# Allegro board HY_DP100_PWER_V10_231227.brd
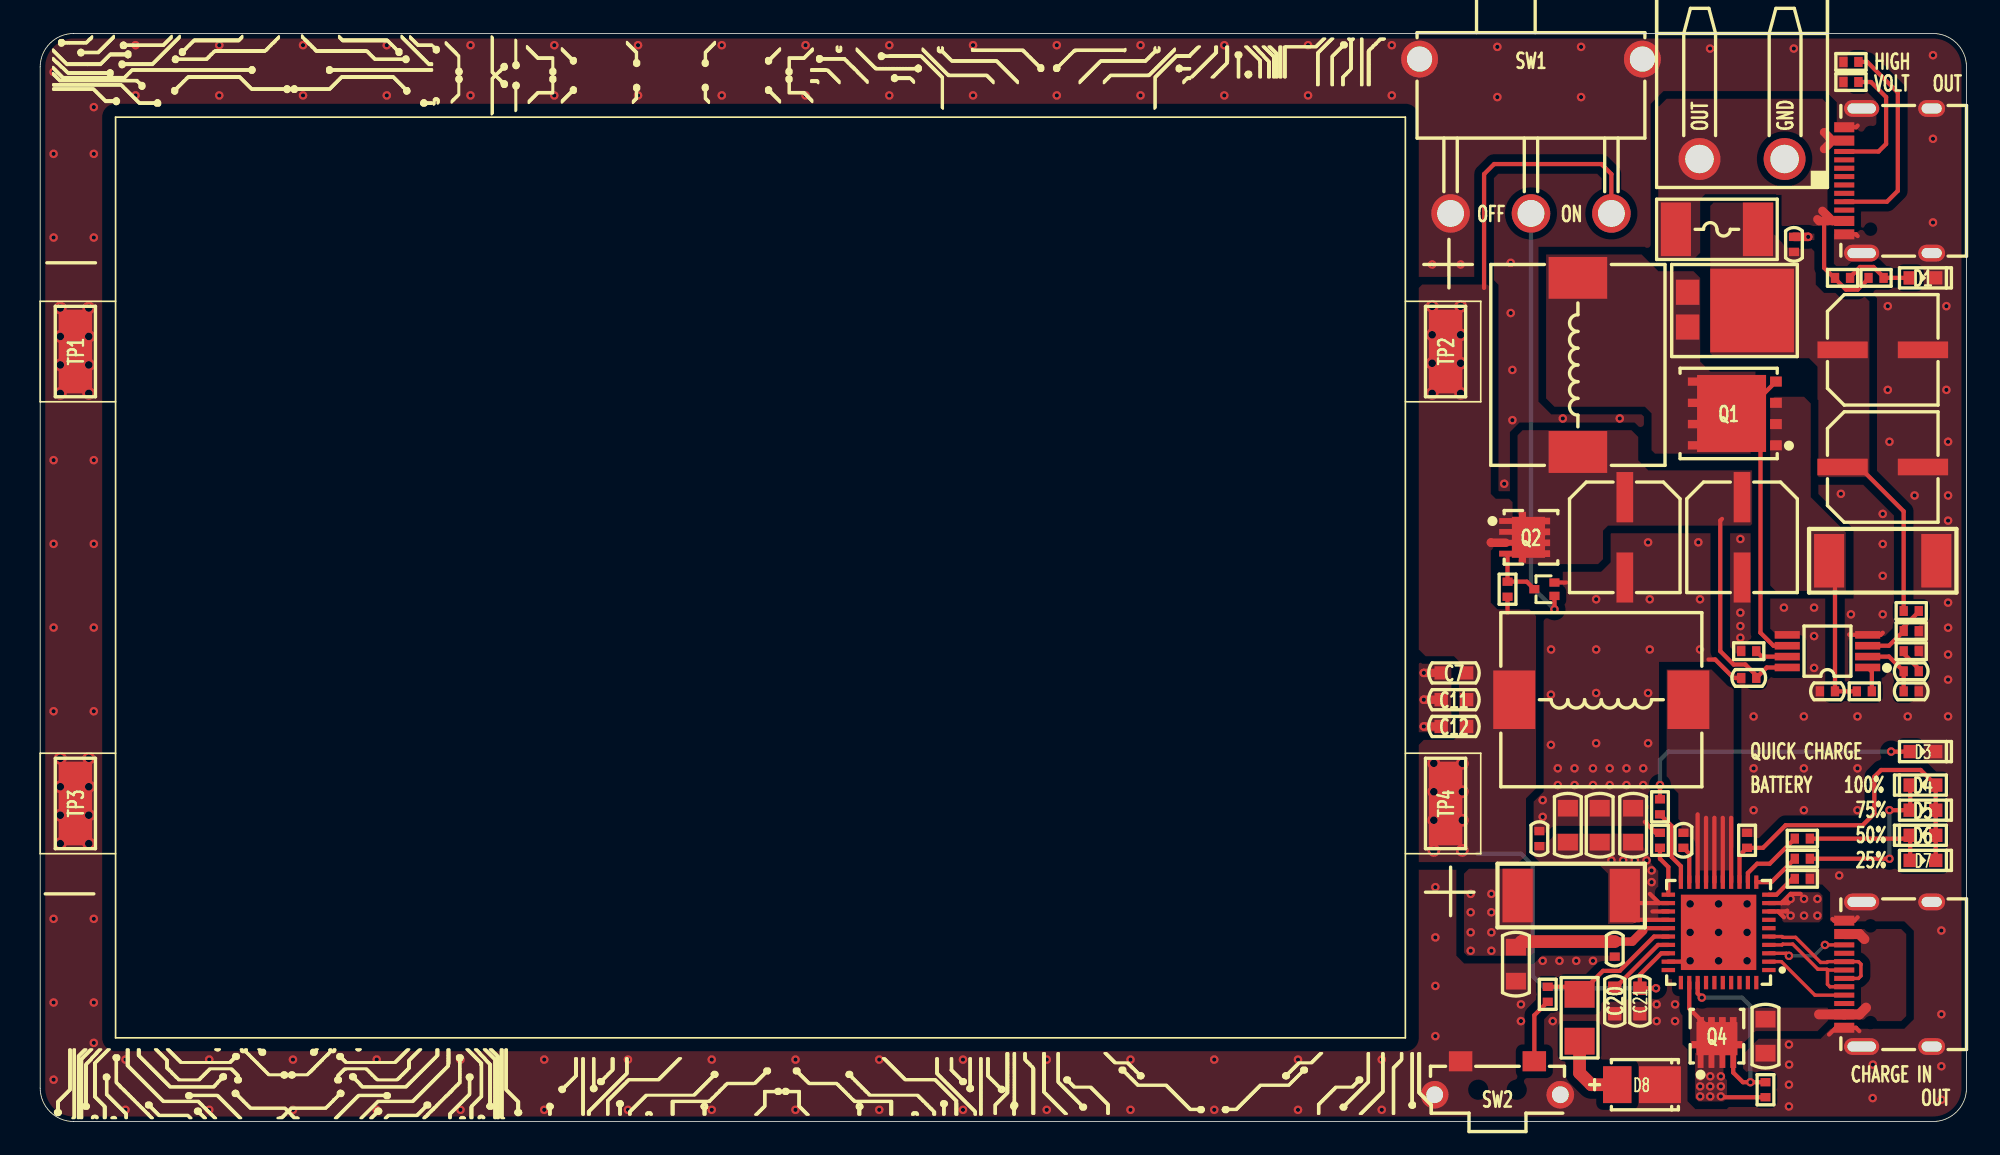
[diagram p0: board, top side]
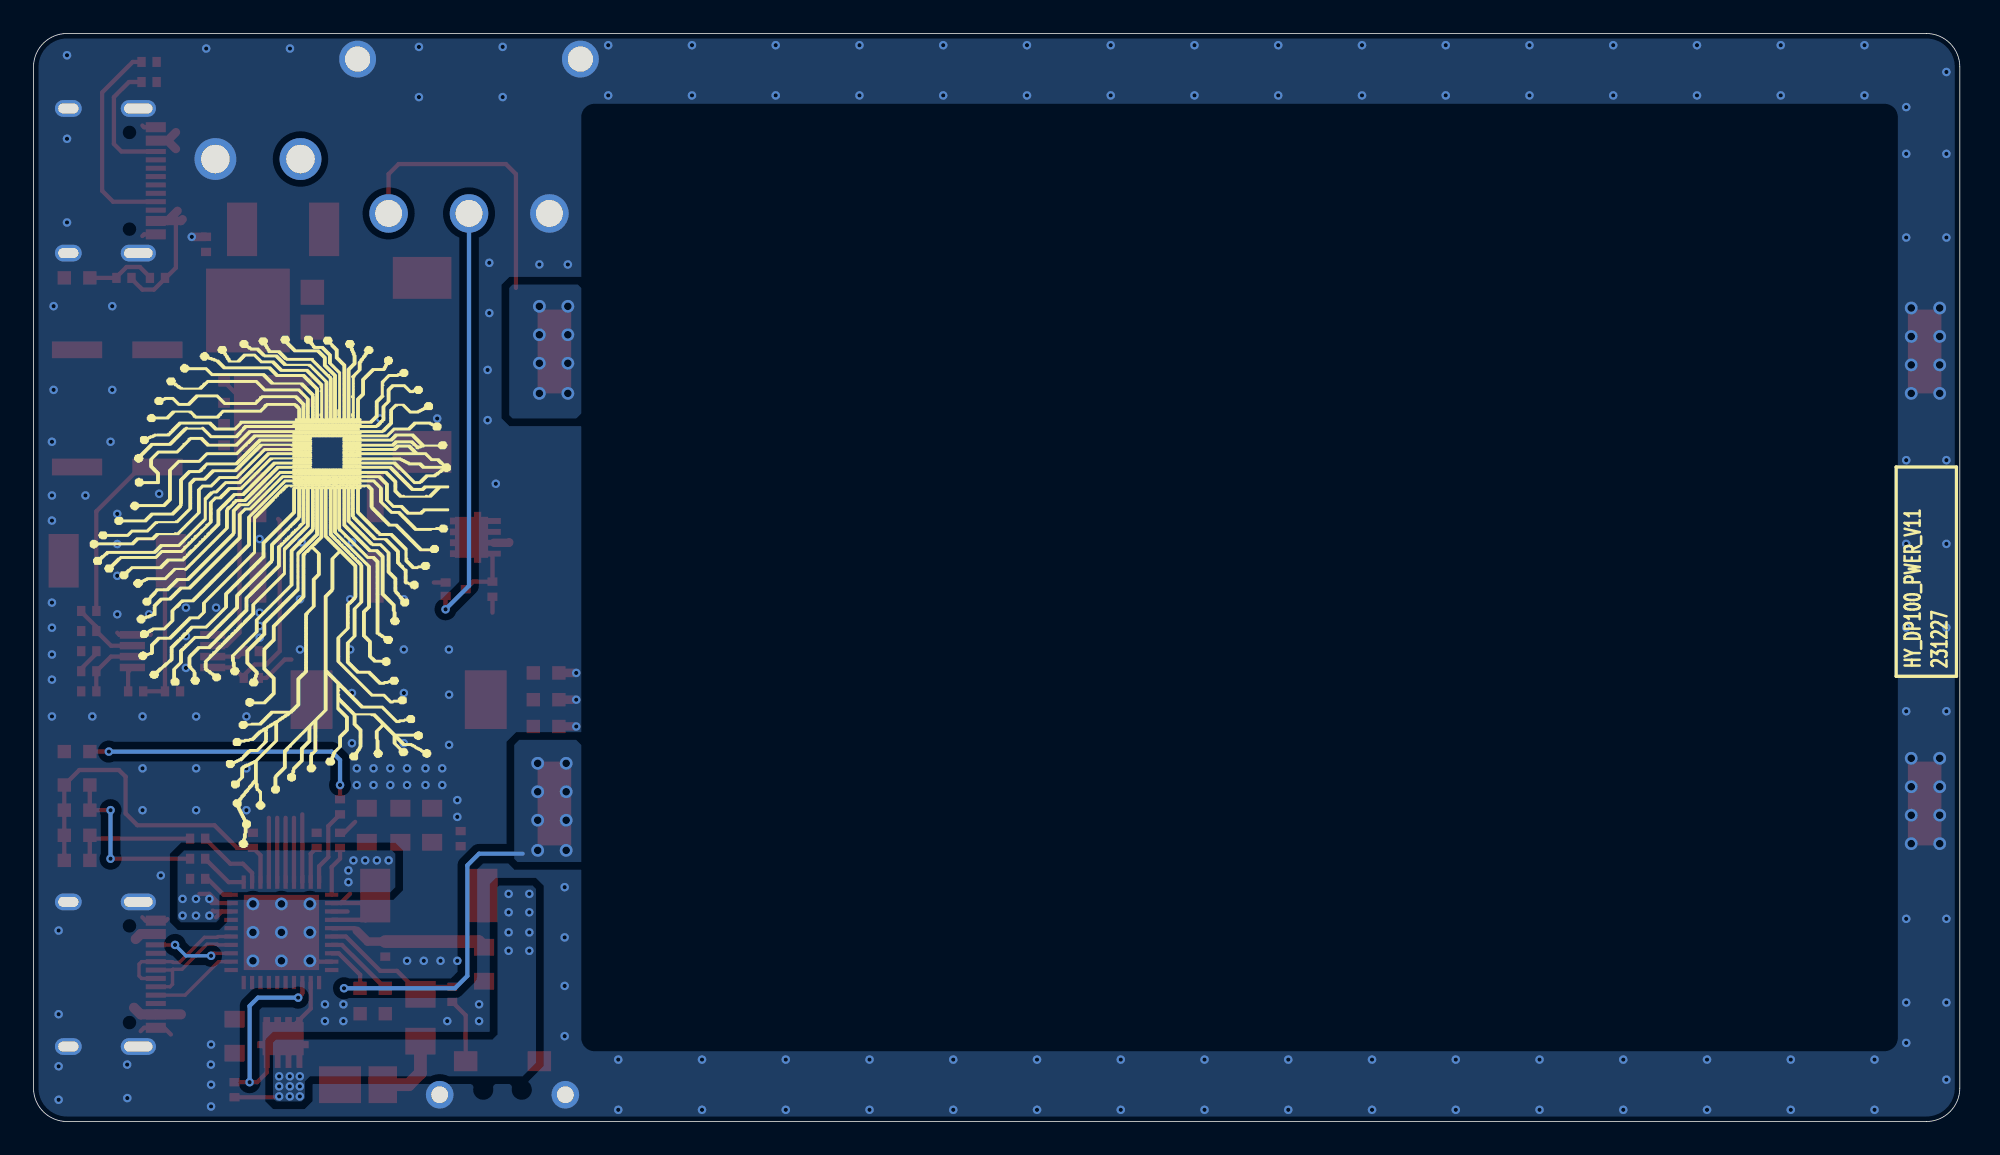
[diagram p1: board, bottom side, seen from below]

Outline 115 x 65 mm; copper layers: TOP, BOTTOM. Coordinates in mm from the lower left corner of the outline.
Outline path: 0,63 arc(0.59,64.41) 2,65 113,65 arc(114.41,64.41) 115,63 115,2 arc(114.41,0.59) 113,0 2,0 arc(0.59,0.59) 0,2 0,63

## Design rules (mm)
constraint set DEFAULT: min track width 0.203, pair gap 0.203
net group DP2: nets DMC DPC
net group DP3: nets DMA1 DPA1
net group DP4: nets DMA2 DPA2

## Placement (name value [footprint] x y rotation side)
C1  100nF_50V  [C0402]  104.7 52.4 90 top
C2  100uF_35V  [CAP-SMD-6R3X5R8]  110 46.1 270 top
C3  100uF_35V  [CAP-SMD-6R3X5R8]  110 39.1 270 top
C4  100uF_35V  [CAP-SMD-6R3X5R8]  94.6 34.9 180 top
C5  100uF_35V  [CAP-SMD-6R3X5R8]  101.6 34.9 180 top
C6  15nF_50V  [C0402]  111.7 26.9 180 top
C7  10uF_10V  [C0603]  84.4 26.8 180 top
C8  100nF_50V  [C0402]  102 26.5 180 top
C9  10pF_50V  [C0402]  106.7 25.7 180 top
C10  680pF_50V  [C0402]  111.7 25.7 180 top
C11  10uF_10V  [C0603]  84.4 25.2 180 top
C12  10uF_10V  [C0603]  84.4 23.6 180 top
C13  22uF_25V  [C0805]  91.2 17.7 90 top
C14  22uF_25V  [C0805]  93.1 17.7 90 top
C15  22uF_25V  [C0805]  95.1 17.7 90 top
C16  100nF_50V  [C0402]  89.5 16.9 270 top
C17  100nF_50V  [C0402]  98.1 16.8 270 top
C18  100nF_50V  [C0402]  94 10.3 90 top
C19  22uF_25V  [C0805]  88.1 9.4 270 top
C20  10uF_10V  [C0603]  94 7.2 90 top
C21  10uF_10V  [C0603]  95.5 7.2 90 top
C22  22uF_25V  [C0805]  103 5.1 270 top
D1  GRERN-0603  [LED0603]  112.4 50.4 0 top
D2  V10P10  [TO-277A]  99.7 48.5 270 top
D3  GRERN-0603  [LED0603]  112.4 22.1 0 top
D4  GRERN-0603  [LED0603]  112.4 20.1 180 top
D5  GRERN-0603  [LED0603]  112.4 18.6 0 top
D6  GRERN-0603  [LED0603]  112.4 17.1 180 top
D7  GRERN-0603  [LED0603]  112.4 15.6 0 top
D8  -  [LED2835]  95.6 2.2 0 top
F1  0451010.MRL  [FUSE1812]  100.1 53.3 180 top
J1  WJ2EDGR-5.08-2P  [WJ2EDGR-5R08-2P]  101.6 57.5 180 top
L1  SMMS1040-6R8  [L10040]  91.8 45.2 90 top
L2  SMMS1040-1R5M  [L10040]  93.2 25.2 180 top
NOREF  -  []  0 0 90 top
NOREF#2  -  []  0 0 0 top
Q1  WSD30140DN  [DFN5X6]  100.8 42.3 90 top
Q2  WSD30L40DN  [DFN3X3]  89 34.9 270 top
Q3  DTC043ZMT2L  [SOT723]  89.8 31.8 90 top
Q4  WSD30L40DN  [DFN3X3]  100.1 5.1 0 top
R1  5.1K/NI  [R0402]  108.1 63.3 180 top
R2  5.1K/NI  [R0402]  108.1 62.1 180 top
R3  51K  [R0402]  107.6 50.4 0 top
R4  51K  [R0402]  109.6 50.4 0 top
R5  0R005  [R2512]  110 33.5 0 top
R6  51K  [R0402]  87.6 31.8 90 top
R7  22K  [R0402]  111.7 30.5 180 top
R8  1K  [R0402]  111.7 29.3 180 top
R9  4.7K  [R0402]  111.7 28.1 180 top
R10  30K  [R0402]  102 28.1 0 top
R11  120R  [R0402]  108.9 25.7 180 top
R12  10K  [R0402]  96.7 18.8 90 top
R13  1K  [R0402]  96.7 16.8 90 top
R14  0R/NI  [R0402]  101.9 16.8 90 top
R15  10K  [R0402]  105.2 16.9 0 top
R16  10K  [R0402]  105.2 15.7 0 top
R17  51K  [R0402]  105.2 14.5 0 top
R18  0R01  [R2512]  91.4 13.5 180 top
R19  1K  [R0402]  90 7.6 90 top
R20  20R  [R1206]  91.9 6.2 270 top
R21  10K  [R0402]  103 1.9 270 top
SW1  -  [SS-12D11G3R]  89 61.9 0 top
SW2  -  [K2-1112SW-A4SW-04]  87 1.9 180 top
TP1  SMD5R0X2R0/NI  [SMD5R0X2R0]  2.1 46 90 top
TP2  SMD5R0X2R0/NI  [SMD5R0X2R0]  83.9 46 270 top
TP3  SMD5R0X2R0/NI  [SMD5R0X2R0]  2.1 19 270 top
TP4  SMD5R0X2R0/NI  [SMD5R0X2R0]  83.9 19 90 top
U1  LM3488MM  [VSSOP8_3R0X3R0X0R65]  106.7 28.1 90 top
U2  IP5328P  [QFN40-6X6X0R5-4R6X4R6]  100.2 11.3 90 top
USB1  -  [TYPE-C-31-M-12]  107.7 56.2 90 top
USB2  -  [TYPE-C-31-M-12]  107.7 8.8 90 top

## Library data of the parts
C1 C6 C8-C10 = CAP NP
C2-C5 = CAPT_100UF_3528_6r3V_10%_LXXXX
C7 C11-C15 C19-C22 = CAP NP_3
C16-C18 = CAP NP_2
D1 D3-D8 = LED_2
D2 = DIODE13_6
F1 = FUSE
J1 = HDR_1
L1 = INDUCTOR_0
L2 = IND_BEAD_0805_600OHM_1
Q1 = SI4497DY-T1-GE3_2
Q2 Q4 = SI4497DY-T1-GE3_0
Q3 = DTC043ZMT2L
R1-R21 = R_Generic
SW1 = SWITCH_3P
SW2 = SWITCH-SPST-4P
TP1-TP4 = TestPoint
U1 = LM3488MM
U2 = IP5328P_0
USB1 USB2 = TYPE-C_16P

## Footprints (pads in the part's own frame, mm; a bottom-side part is the same pattern mirrored in y, then rotated)
C0402
  rect 0.5x0.6 smd: 1(-0.45,0) 2(0.45,0)
C0603
  rect 0.8x0.8 smd: 1(-0.762,0) 2(0.762,0)
C0805
  rect 1x1.2 smd: 1(-1.016,0) 2(1.016,0)
CAP-SMD-6R3X5R8
  rect 1x3 smd: 1(0,-2.4) 2(0,2.4)
DFN3X3
  rect 0.35x0.8 smd: 1(-0.975,-1.5) 2(-0.325,-1.5) 3(0.325,-1.5) 4(0.975,-1.5)
  custom 3.05x2.28 smd: 5(0,0)
DFN5X6
  rect 0.6x0.7 smd: 1(-1.905,-2.825) 2(-0.635,-2.825) 3(0.635,-2.825) 4(1.905,-2.825)
  custom 4.6x4.67 smd: 5(0,0.1)
FUSE1812
  rect 1.8x3.2 smd: 1(-2.45,0) 2(2.45,0)
K2-1112SW-A4SW-04
  round 1.65 hole 1: 1(-3.75,0.3) 4(3.75,0.3)
  rect 1.4x1.2 smd: 2(-2.2,-1.7) 3(2.2,-1.7)
L10040
  rect 2.5x3.5 smd: 1(-5.2,0) 2(5.2,0)
LED0603
  rect 0.8x0.8 smd: 1(-0.762,0) 2(0.762,0)
LED2835
  rect 1.7x2.2 smd: 1(-1.45,0)
  rect 2.5x2.2 smd: 2(1.1,0)
QFN40-6X6X0R5-4R6X4R6
  rect 0.25x0.8 smd: 1(-2.25,-3) 2(-1.75,-3) 3(-1.25,-3) 4(-0.75,-3) 5(-0.25,-3) 6(0.25,-3) 7(0.75,-3) 8(1.25,-3) 9(1.75,-3) 10(2.25,-3) 21(2.25,3) 22(1.75,3) 23(1.25,3) 24(0.75,3) 25(0.25,3) 26(-0.25,3) 27(-0.75,3) 28(-1.25,3) 29(-1.75,3) 30(-2.25,3)
  rect 0.8x0.25 smd: 11(3,-2.25) 12(3,-1.75) 13(3,-1.25) 14(3,-0.75) 15(3,-0.25) 16(3,0.25) 17(3,0.75) 18(3,1.25) 19(3,1.75) 20(3,2.25) 31(-3,2.25) 32(-3,1.75) 33(-3,1.25) 34(-3,0.75) 35(-3,0.25) 36(-3,-0.25) 37(-3,-0.75) 38(-3,-1.25) 39(-3,-1.75) 40(-3,-2.25)
  rect 4.5x4.5 smd: 41(0,0)
R0402
  rect 0.5x0.6 smd: 1(-0.45,0) 2(0.45,0)
R1206
  rect 1.6x1.8 smd: 1(-1.4,0) 2(1.4,0)
R2512
  rect 1.8x3.2 smd: 1(-3.2,0) 2(3.2,0)
SMD5R0X2R0
  rect 5x2 smd: 1(0,0)
SOT723
  rect 0.5x0.6 smd: 1(-0.4,-0.6) 2(0.4,-0.6) 3(0,0.6)
SS-12D11G3R
  round 2.2 hole 1.5: 1(-6.65,1.57) 5(6.65,1.57)
  round 2.3 hole 1.6: 2(-4.8,-7.65) 3(0,-7.65) 4(4.8,-7.65)
TO-277A
  rect 1.5x1.4 smd: 1(-1.04,-1.35) 2(1.04,-1.35)
  rect 5x5 smd: 3(0.05,2.5)
TYPE-C-31-M-12
  rect 0.6x1.2 smd: 1(-3.2,0) 2(-2.4,0) 11(2.4,0) 12(3.2,0)
  rect 0.3x1.2 smd: 3(-1.75,0) 4(-1.25,0) 5(-0.75,0) 6(-0.25,0) 7(0.25,0) 8(0.75,0) 9(1.25,0) 10(1.75,0)
  oval 1x2.1 hole 0.6x1.7: 13(-4.32,-1.04) 14(4.32,-1.04)
  oval 1x1.6 hole 0.6x1.2: 15(-4.32,-5.22) 16(4.32,-5.22)
VSSOP8_3R0X3R0X0R65
  rect 0.45x1.5 smd: 1(-0.975,-2.4) 2(-0.325,-2.4) 3(0.325,-2.4) 4(0.975,-2.4) 5(0.975,2.4) 6(0.325,2.4) 7(-0.325,2.4) 8(-0.975,2.4)
WJ2EDGR-5R08-2P
  round 2.5 hole 1.7: 1(-2.54,0) 2(2.54,0)

## Nets
GND: C1.2 C2.2 C3.2 C4.2 C5.2 C7.2 C8.2 C9.2 C10.1 C11.2 C12.2 C13.2 C14.2 C15.2 C16.1 C18.1 C19.2 C20.1 C21.1 C22.2 D1.2(CATHODE) D3.2(CATHODE) D8.2(CATHODE) J1.1 Q3.2 R1.2 R2.2 R5.2 R8.1 R9.1 R10.1 R13.2 R14.2 R17.2 SW1.1 SW1.2 SW1.5 SW2.1 SW2.3 SW2.4 TP1.1 TP3.1 U1.4 U1.5 U2.29 U2.41 USB1.1 USB1.12 USB1.13 USB1.14 USB1.15 USB1.16 USB2.1 USB2.12 USB2.13 USB2.14 USB2.15 USB2.16
VBUSG: Q4.4 R21.1 U2.33
VCC_OUT_28V: F1.2 J1.2 R3.1 R4.1 USB1.2 USB1.11(VBUS2)
VCC_VBAT: C7.1 C11.1 C12.1 C21.2 L2.2(B) Q2.1 Q2.2 Q2.3(S3) R6.1 SW1.4 TP2.1 TP4.1 U2.28
VCC_VBUS: C22.1 Q4.5 U2.32 USB2.2 USB2.11(VBUS2)
VCC_VMID: C18.2 C19.1 Q4.1 Q4.2 Q4.3(S3) R18.2 R21.2 U2.25
VCC_VOUT1: U2.37
VCC_VOUT2: U2.34
VCC_VREG: C20.2 U2.27
VCC_VSYS: C13.1 C14.1 C15.1 C16.2 R18.1 U2.8 U2.9 U2.22 U2.23(VSYS_4) U2.24
VING: U2.31
CC1: U2.2 USB2.4
CC2: U2.3 USB2.10
DMA1: U2.38
DMA2: U2.40
DMB: U2.6
DMC: U2.4 USB2.5 USB2.7
DPA1: U2.39
DPA2: U2.1
DPB: U2.7
DPC: U2.5 USB2.6 USB2.8
LIGHT: R12.1 U2.20
VOUT1G: U2.36
VOUT2G: U2.35
N17567329: C6.1 R9.2
N17567361: C6.2 C10.2 U1.2
N17567411: R10.2 U1.7
N17567417: R7.1 R8.2 U1.3
N17567419: Q1.4 U1.6
N17567443: C4.1 C5.1 C8.1 L1.1 Q2.5 U1.8(VIN)
N17567461: R11.1 U1.1
N17567491: C1.1 C2.1 C3.1 D2.3(CATHODE) F1.1 R7.2
N17567516: D2.1 D2.2 L1.2 Q1.5
N17567603: C9.1 Q1.1 Q1.2 Q1.3(S3) R5.1 R11.2
N17577406: D8.1 R20.2
N17577408: R19.2 R20.1 U2.26
N17577550: R19.1 SW2.2
N17577607: R13.1 U2.21
N17577692: D3.1 R12.2
N17577729: C17.2 U2.19
N17577731: C17.1 L2.1 U2.14 U2.15 U2.16 U2.17 U2.18
N17577842: D4.1 D5.2(CATHODE) D6.1 D7.2(CATHODE) R14.1 U2.13
N17577873: R15.1 U2.12
N17577875: D6.2(CATHODE) D7.1 R15.2
N17577946: R16.1 U2.11
N17577961: D4.2(CATHODE) D5.1 R16.2
N17577996: R17.1 U2.10
N17580928: R2.1 USB1.10
N17580931: R1.1 USB1.4
N17581152: Q2.4 Q3.3 R6.2
N17581537: Q3.1 SW1.3
N17582956: D1.1 R3.2 R4.2

Pads without a net: U2 30; USB1 3 5 6 7 8 9; USB2 3 9

## Via types
v1: diameter 0.508, hole 0.254, TOP to BOTTOM, 238 vias
v2: diameter 0.762, hole 0.457, TOP to BOTTOM, 41 vias

## Routing (per net, layer and track width the routed paths; a pad name or vN(x,y) marks a point on that pad's centre or on a via; arc(x,y) is an arc through that point)
GND: length 19.4
  TOP w0.254: USB1.1 108.4,53 108.5,52.9 ; 108,29.1 108.03,29.07 U1.4 109.88,29.07 110,29.2 ; 108.5,12.2 108.3,12 USB2.12 107.1,12 107,12.1 ; 106.8,5.2 107.2,5.6 USB2.1 108.4,5.6 108.6,5.4 ; 99.6,27.6 100,27.6 101.1,26.5 C8.2 ; R13.2 96.45,17.25 95.8,17.9 ; USB1.12 108.4,59.4 108.5,59.5 ; v2(100.2,11.3) v2(98.5,9.6) 98.45,9.55 U2.29 ; Q3.2 91.1,32.2
  TOP w0.508: C11.2 v1(82.6,25.2) ; C1.2 v1(105.55,52.85) ; C12.2 v1(82.6,23.6) ; C7.2 v1(82.6,26.8)
  vias: v1(0.8,62.7) v1(0.8,57.81) v1(0.8,52.81) v1(0.8,39.51) v1(0.8,34.51) v1(0.8,29.51) v1(0.8,24.51) v1(0.8,12.11) v1(0.8,7.11) v1(0.8,2.5) v1(3.2,60.6) v1(3.2,57.81) v1(3.2,52.81) v1(3.2,39.51) v1(3.2,34.51) v1(3.2,29.51) v1(3.2,24.51) v1(3.2,12.11) v1(3.2,7.11) v1(3.2,4.7) v1(5.09,3.7) v1(5.09,0.7) v1(5.69,64.3) v1(5.69,61.3) v1(10.09,3.7) v1(10.09,0.7) v1(10.69,64.3) v1(10.69,61.3) v1(15.09,3.7) v1(15.09,0.7) v1(15.69,64.3) v1(15.69,61.3) v1(20.09,3.7) v1(20.09,0.7) v1(20.69,64.3) v1(20.69,61.3) v1(25.09,3.7) v1(25.09,0.7) v1(25.69,64.3) v1(25.69,61.3) v1(30.09,3.7) v1(30.09,0.7) v1(30.69,64.3) v1(30.69,61.3) v1(35.09,3.7) v1(35.09,0.7) v1(35.69,64.3) v1(35.69,61.3) v1(40.09,3.7) v1(40.09,0.7) v1(40.69,64.3) v1(40.69,61.3) v1(45.09,3.7) v1(45.09,0.7) v1(45.69,64.3) v1(45.69,61.3) v1(50.09,3.7) v1(50.09,0.7) v1(50.69,64.3) v1(50.69,61.3) v1(55.09,3.7) v1(55.09,0.7) v1(55.69,64.3) v1(55.69,61.3) v1(60.09,3.7) v1(60.09,0.7) v1(60.69,64.3) v1(60.69,61.3) v1(65.09,3.7) v1(65.09,0.7) v1(65.69,64.3) v1(65.69,61.3) v1(70.09,3.7) v1(70.09,0.7) v1(70.69,64.3) v1(70.69,61.3) v1(75.09,3.7) v1(75.09,0.7) v1(75.69,64.3) v1(75.69,61.3) v1(80.09,3.7) v1(80.09,0.7) v1(80.69,64.3) v1(80.69,61.3) v1(83.1,51.2) v1(83.29,14) v1(83.29,11) v1(83.29,8.1) v1(83.29,5.1) v1(84.8,51.2) v1(86.99,64.2) v1(86.99,61.2) v1(87.4,38.1) v1(87.79,51.3) v1(87.79,48.3) v1(87.89,44.9) v1(87.89,41.9) v1(88.4,7) v1(88.4,6) v1(89.7,19.2) v1(89.7,18.2) v1(89.7,9.6) v1(90.2,28.2) v1(90.19,25.5) v1(90.19,22.5) v1(90.3,6) v1(90.6,21.1) v1(90.6,20.1) v1(90.7,9.6) v1(90.9,42) v1(91.6,21.1) v1(91.6,20.1) v1(91.7,9.6) v1(91.99,64.2) v1(91.99,61.2) v1(92.7,21.1) v1(92.7,20.1) v1(92.7,9.6) v1(92.89,31.2) v1(92.89,28.2) v1(92.89,25.6) v1(92.89,22.6) v1(93.7,21.1) v1(93.7,20.1) v1(94.3,42) v1(94.7,21.1) v1(94.7,20.1) v1(95.7,21.1) v1(95.7,20.1) v1(95.99,34.6) v1(95.99,25.6) v1(95.99,22.6) v1(96.09,31.2) v1(96.09,28.2) v1(96.5,7) v1(96.5,6) v1(97.6,7) v1(97.6,6) v1(98.99,34.6) v1(99.09,31.2) v1(99.09,28.2) v1(99.69,64.1) v1(101.5,34.8) v1(101.5,30.4) v1(101.5,29.6) v1(101.5,28.9) v1(102.29,24.2) v1(102.29,21.1) v1(102.29,18.6) v1(104.1,30.7) v1(104.4,4.6) v1(104.41,3.4) v1(104.4,2.2) v1(104.4,0.9) v1(104.69,64.1) v1(105.29,24.2) v1(105.29,21.1) v1(105.29,18.6) v1(105.9,30.7) v1(105.9,29) v1(105.9,27.1) v1(107.4,14.7) v1(107.5,37.5) v1(108.1,30.3) v1(108.49,24.2) v1(108.49,21.1) v1(108.49,18.6) v1(109.41,3.4) v1(109.4,1.4) v1(110,36.3) v1(110,34.5) v1(110,32.6) v1(110,30.3) v1(110.3,48.71) v1(110.3,43.71) v1(110.4,40.61) v1(111.49,24.2) v1(111.9,37.4) v1(113,63.7) v1(113,58.71) v1(113,53.71) v1(113.5,11.41) v1(113.5,6.41) v1(113.5,3.3) v1(113.5,1.3) v1(113.8,48.71) v1(113.8,43.71) v1(113.9,40.61) v1(113.9,37.4) v1(113.9,35.9) v1(113.9,31) v1(113.9,29.5) v1(113.9,27.9) v1(113.9,26.4) v1(113.9,24.2) v2(1.2,48.6) v2(1.2,46.9) v2(1.2,45.2) v2(1.2,43.5) v2(1.2,21.7) v2(1.2,20) v2(1.2,18.3) v2(1.2,16.6) v2(2.9,48.6) v2(2.9,46.9) v2(2.9,45.2) v2(2.9,43.5) v2(2.9,21.7) v2(2.9,20) v2(2.9,18.3) v2(2.9,16.6) v2(98.5,13) v2(98.5,11.3) v2(100.2,13) v2(100.2,9.6) v2(101.9,13) v2(101.9,11.3) v2(101.9,9.6)
VBUSG: length 11.5
  TOP w0.254: U2.33 98.95,7.65 v1(99.2,7.4) ; R21.1 v1(102.1,2.35) 101.65,2.35 101.08,2.92 101.08,3.6
  BOTTOM w0.254: v1(99.2,7.4) 101.6,7.4 102.1,6.9 v1(102.1,2.35)
VCC_OUT_28V: length 10.9
  TOP w0.254: 106.5,53.8 106.5,51 107.1,50.4 R3.1 107.15,50.35 107.8,49.7 108.5,49.7 109.15,50.35 R4.1
  TOP w0.508: 107,58.6 106.5,59.1 ; 107,58.6 106.5,58.1 ; 107,58.6 USB1.11 ; 106.1,53.9 106.2,53.8 107,53.8 ; USB1.2 107,53.8 ; 107,53.8 106.4,54.4
VCC_VBAT: length 41
  TOP w0.254: U2.28 96.78,10.05 95.5,8.77 C21.2 v1(96.46,7.96) ; SW1.4 93.8,56.6 93.2,57.2 86.8,57.2 86.2,56.6 86.2,49.8 ; R6.1 87.6,30.4
  TOP w0.508: 87.5,34.58 86.62,34.58 86.6,34.6
  BOTTOM w0.254: 85.8,16 88.4,16 89.1,15.3 89.1,8.7 89.84,7.96 v1(96.46,7.96)
  vias: v2(83.1,48.7) v2(83.1,47) v2(83.1,45.3) v2(83.1,43.5) v2(83.2,21.4) v2(83.2,19.7) v2(83.2,18) v2(83.2,16.2) v2(84.8,48.7) v2(84.8,47) v2(84.8,45.3) v2(84.8,43.5) v2(84.9,21.4) v2(84.9,19.7) v2(84.9,18) v2(84.9,16.2)
VCC_VBUS: length 8.2
  TOP w0.254: U2.32 98.45,6.75 Q4.5
  TOP w0.6: 108.9,10.9 108.6,11.2 USB2.11 ; 106.2,6.4 USB2.2 108.6,6.4 109,6.8
VCC_VMID: length 12.3
  TOP w0.254: R21.2 100.39,1.45 v1(100.33,1.5) ; U2.25 95.85,11.55 95.7,11.4
  TOP w0.508: C18.2 95.05,10.75 95.7,11.4
  TOP w0.762: C19.1 88.43,10.75 C18.2
  vias: v1(85.4,13.6) v1(85.4,12.5) v1(85.4,11.3) v1(85.4,10.2) v1(86.64,13.6) v1(86.64,12.5) v1(86.64,11.3) v1(86.64,10.2) v1(99.1,2.7) v1(99.1,2.1) v1(99.1,1.5) v1(99.7,2.7) v1(99.7,2.1) v1(99.7,1.5) v1(100.33,2.7) v1(100.33,2.1)
VCC_VREG: length 4.3
  TOP w0.254: U2.27 96.59,10.55 C20.2
VCC_VSYS: length 12.5
  TOP w0.254: 103.95,13.05 104.5,13.6 105.1,13.6 ; 103.95,13.05 U2.9 ; 103.95,13.05 104.35,13.05 104.4,13.1 ; 96.25,12.55 U2.23 ; 96.65,13.05 96.1,13.6 ; 96.65,13.05 95.05,13.05 R18.1 94.6,12.6 95.18,12.02 95.21,12.05 U2.24 ; 96.65,13.05 U2.22 ; U2.8 103.75,12.55 ; 103.75,12.55 104.1,12.2 ; 103.75,12.55 104.25,12.55 104.3,12.6
  vias: v1(93.8,15.6) v1(94.5,15.6) v1(95.2,15.6) v1(95.9,15.6) v1(96.2,15) v1(96.2,14.3) v1(104.5,13.3) v1(104.5,12.3) v1(105.3,13.3) v1(105.3,12.3) v1(106.1,13.3) v1(106.1,12.3)
CC1: length 5.3
  TOP w0.203: USB2.4 105.95,7.55 103.95,9.55 U2.2
CC2: length 4.8
  TOP w0.203: U2.3 104.25,10.05 v1(104.4,9.9) ; USB2.10 v1(106.55,10.55)
  BOTTOM w0.203: v1(106.55,10.55) 105.9,9.9 v1(104.4,9.9)
DMC: length 7.1
  TOP w0.203: U2.4 103.98,10.55 104.03,10.6 104.63,10.6 106.13,9.1 106.67,9.1 106.7,9.06 ; USB2.7 106.72,9.05 106.7,9.06 ; 106.7,9.06 106.7,8.2 106.85,8.05 USB2.5
DPC: length 8
  TOP w0.203: USB2.6 108.55,8.55 108.7,8.7 108.7,9.4 108.55,9.55 USB2.8 106.72,9.55 106.67,9.5 106.3,9.5 104.8,11 104.03,11 103.98,11.05 U2.5
LIGHT: length 4.6
  TOP w0.254: U2.20 97.95,15.25 97.4,15.8 97.4,17.65 R12.1
N17567329: length 1.6
  TOP w0.254: R9.2 111.25,27.95 112.15,27.05 C6.1
N17567361: length 3.7
  TOP w0.254: C10.2 C6.2 110.38,27.77 U1.2
N17567411: length 2
  TOP w0.254: R10.2 102.78,27.77 U1.7
N17567417: length 4.1
  TOP w0.254: R7.1 112.15,30.45 111.25,29.55 R8.2 110.38,28.43 U1.3
N17567419: length 17.3
  TOP w0.254: U1.6 103.47,28.43 102.7,29.2 102.7,43.28 Q1.4
N17567443: length 13
  TOP w0.254: 100.4,36 100.3,35.9 100.3,28.1 101.1,27.3 101.8,27.3 102.45,26.65 C8.1 103.08,27.12 U1.8
N17567461: length 1.5
  TOP w0.254: U1.1 109.35,26.88 R11.1
N17567491: length 10.7
  TOP w0.254: R7.2 111.25,36.45 108.6,39.1 C3.1
N17567603: length 9.2
  TOP w0.254: R11.2 C9.1 107.15,33.15 R5.1
N17577406: length 4.4
  TOP w0.762: D8.1 92.6,2.2 91.9,2.9 R20.2
N17577408: length 8.8
  TOP w0.254: U2.26 96.35,11.05 94.3,9 93.3,9 R20.1 91.45,8.05 R19.2
N17577550: length 3.9
  TOP w0.254: SW2.2 89.2,6.35 R19.1
N17577607: length 3
  TOP w0.254: R13.1 96.7,15.7 97.2,15.2 U2.21
N17577692: length 17.5
  TOP w0.254: R12.2 v1(96.7,20.1) ; D3.1 v1(110.5,22.1)
  BOTTOM w0.254: v1(96.7,20.1) 96.7,21.6 97.2,22.1 v1(110.5,22.1)
N17577729: length 2.2
  TOP w0.254: U2.19 98.45,16 C17.2
N17577731: length 19.4
  TOP w0.254: U2.15 100.45,18.14 ; U2.14 100.95,18.14 ; U2.18 98.95,18.35 ; U2.17 99.45,18.14 ; U2.16 99.95,18.14
N17577842: length 21.6
  TOP w0.254: U2.13 101.45,15.9 R14.1 102.85,16.35 104.2,17.7 108.8,17.7 109.5,18.4 109.5,20.6 109.9,21 112.26,21 D4.1 D5.2 D6.1 D7.2
N17577873: length 4.2
  TOP w0.254: R15.1 103.25,15.4 102.5,15.4 101.95,14.85 U2.12
N17577875: length 7.6
  TOP w0.254: R15.2 111.44,16.9 D6.2 D7.1
N17577946: length 2.9
  TOP w0.254: U2.11 103.35,14.3 R16.1
N17577961: length 10.4
  TOP w0.254: D4.2 D5.1 v1(110.4,18.6) ; R16.2 v1(110.4,15.7)
  BOTTOM w0.254: v1(110.4,15.7) v1(110.4,18.6)
N17577996: length 1.9
  TOP w0.254: R17.1 104.6,14.5 103.65,13.55 U2.10
N17580928: length 7.5
  TOP w0.254: R2.1 109.3,62.1 110.2,61.2 110.2,58.4 109.75,57.95 USB1.10
N17580931: length 12.5
  TOP w0.254: R1.1 109.07,63.3 110.9,61.47 110.9,55.6 110.25,54.95 USB1.4
N17581152: length 3.5
  TOP w0.254: Q2.4 87.6,33.83 R6.2 88.75,32.25 Q3.3
N17581537: length 25
  TOP w0.254: Q3.1 v1(90.4,30.6)
  BOTTOM w0.254: SW1.3 89,32 v1(90.4,30.6)
N17582956: length 4.2
  TOP w0.254: R3.2 108.05,50.45 108.65,51.05 109.45,51.05 110.05,50.45 R4.2 D1.1

## Copper pours and planes (outline as drawn; the poured copper is in the pictures)
GND on TOP: 0.3,63 0.8,64.2 2,64.7 113,64.7 114.2,64.2 114.7,63 114.7,2 114.2,0.8 113,0.3 2,0.3 0.8,0.8 0.3,2 ; 8 cut-outs
GND on BOTTOM: 0.3,63 0.8,64.2 2,64.7 113,64.7 114.2,64.2 114.7,63 114.7,2 114.2,0.8 113,0.3 2,0.3 0.8,0.8 0.3,2
VCC_OUT_28V on TOP: 96.6,60.6 97.1,61.1 106.4,61.1 106.8,60.7 106.8,53.5 104,53.5 103.8,53.7 103.8,55.2 103.6,55.4 99.4,55.4 99.1,55.1 99.1,51.9 98.8,51.6 96.6,51.6
VCC_VBAT on TOP: 82.3,15.5 88.3,15.5 88.7,15.9 88.7,19.3 89.3,19.9 89.3,30.2 88.9,30.6 87,30.6 86.6,31 86.6,34.1 86.9,34.4 87.9,34.4 87.9,37 87.7,37.2 86.9,37.2 86.6,37.5 86.6,49.8 86.4,50 82.5,50 82.3,49.8 82.3,28.2 82.7,27.8 84.4,27.8 84.7,27.5 84.7,23.1 84.4,22.8 82.6,22.8 82.3,22.5
VCC_VBAT on BOTTOM: 82.3,15.5 86.1,15.5 86.3,15.7 86.3,22.5 86,22.8 82.6,22.8 82.3,22.5
VCC_VBAT on BOTTOM: 82.5,50 86.4,50 86.6,49.8 86.6,42.2 86.4,42 82.6,42 82.3,42.3 82.3,49.8
VCC_VBUS on TOP: 98.9,6.8 108.3,6.8 108.6,7.1 108.6,10.6 108.3,10.9 107.1,10.9 107.1,11.5 111.1,11.5 111.4,11.2 111.4,6.3 111.1,6 106.7,6 106.1,5.4 102.4,5.4 101.4,4.4 98.9,4.4 98.5,4.8 98.5,6.4
VCC_VMID on TOP: 89.2,15.1 85.3,15.1 85,14.8 85,10.1 85.2,9.9 89,9.9 89.2,10.1
VCC_VMID on TOP: 98.8,4.1 98.8,1.4 99,1.2 100.5,1.2 100.7,1.4 100.7,4.1
VCC_VMID on BOTTOM: 100.7,1.4 100.7,4.7 100.5,4.9 87.6,4.9 87.3,5.2 87.3,14 87.2,14.1 85.2,14.1 85,13.9 85,3.5 85.8,2.7 98.5,2.7 98.8,2.4 98.8,1.4 99,1.2 100.5,1.2
VCC_VSYS on TOP: 106.2,13.7 106.4,13.5 106.4,12.1 106.2,11.9 104.1,11.9 103.9,12.1 103.9,13.2 104.4,13.7
VCC_VSYS on TOP: 93.6,11.8 96.6,11.8 96.6,15.5 95.7,16.4 95.7,17.2 90.5,17.2 90.1,16.8 89.2,16.8 89.2,15.8 89.5,15.5 92.9,15.5 93.6,14.8
VCC_VSYS on BOTTOM: 104.1,11.9 106.2,11.9 106.4,12.1 106.4,15.8 106,16.2 93.6,16.2 93.4,16 93.4,14 93.7,13.7 103.7,13.7 103.9,13.5 103.9,12.1
N17567443 on TOP: 93,33.3 88.4,33.3 88.2,33.5 88.2,41 88.5,41.3 95,41.3 95.4,40.9 95.4,39.5 96,38.9 102.2,38.9 102.2,35.7 102.1,35.6 93.6,35.6 93.3,35.3 93.3,33.6
N17567491 on TOP: 99.9,54.9 99.7,54.7 99.7,45.9 100,45.6 105.6,45.6 106.1,45.1 106.1,38.5 109.2,38.5 109.2,49 108.7,49.5 106.5,49.5 106,50 106,51.9 105.7,52.2 104.3,52.2 103.5,53 103.5,54.9
N17567516 on TOP: 102.3,39.9 96.4,39.9 96.2,40.1 96.2,42.3 95.8,42.7 90.4,42.7 89.9,43.2 89.9,51.8 95.6,51.8 96.6,50.8 98.7,50.8 99.1,50.4 99.1,45.4 99.7,44.8 102.4,44.8 102.4,40
N17567603 on TOP: 103.2,43.3 105.3,43.3 105.7,42.9 105.7,37.3 107.8,35.2 107.8,31.7 103.6,31.7 103.2,32.1
N17577731 on TOP: 101.1,15 101.1,25.8 99.9,27 97.1,27 97.1,20.3 97.8,19.6 97.8,17 98.4,17 98.8,16.6 98.8,15

## Text on the board
Ref Des/Silkscreen Bottom: 231227 | HY_DP100_PWER_V11
Ref Des/Silkscreen Top: OFF | ON | QUICK CHARGE | BATTERY | 100% | CHARGE IN | 75% | 50% | 25% | HIGH | VOLT | OUT | GND
DIMENSION: FIGURE | FINISHED_SIZE | 0.254 | 0.4572 | 1.0 | 1.5 | 1.6 | 1.7 | 1.2x0.6 | 1.7x0.6 | DRILL CHART: TOP to BOTTOM | ALL UNITS ARE IN MILLIMETERS | PLATED | QTY | 238 | 41 | 2 | 3 | 4 | 296 | TOTAL HOLES:
